# KiCad board SmallDSPMicro.kicad_pcb (continued)
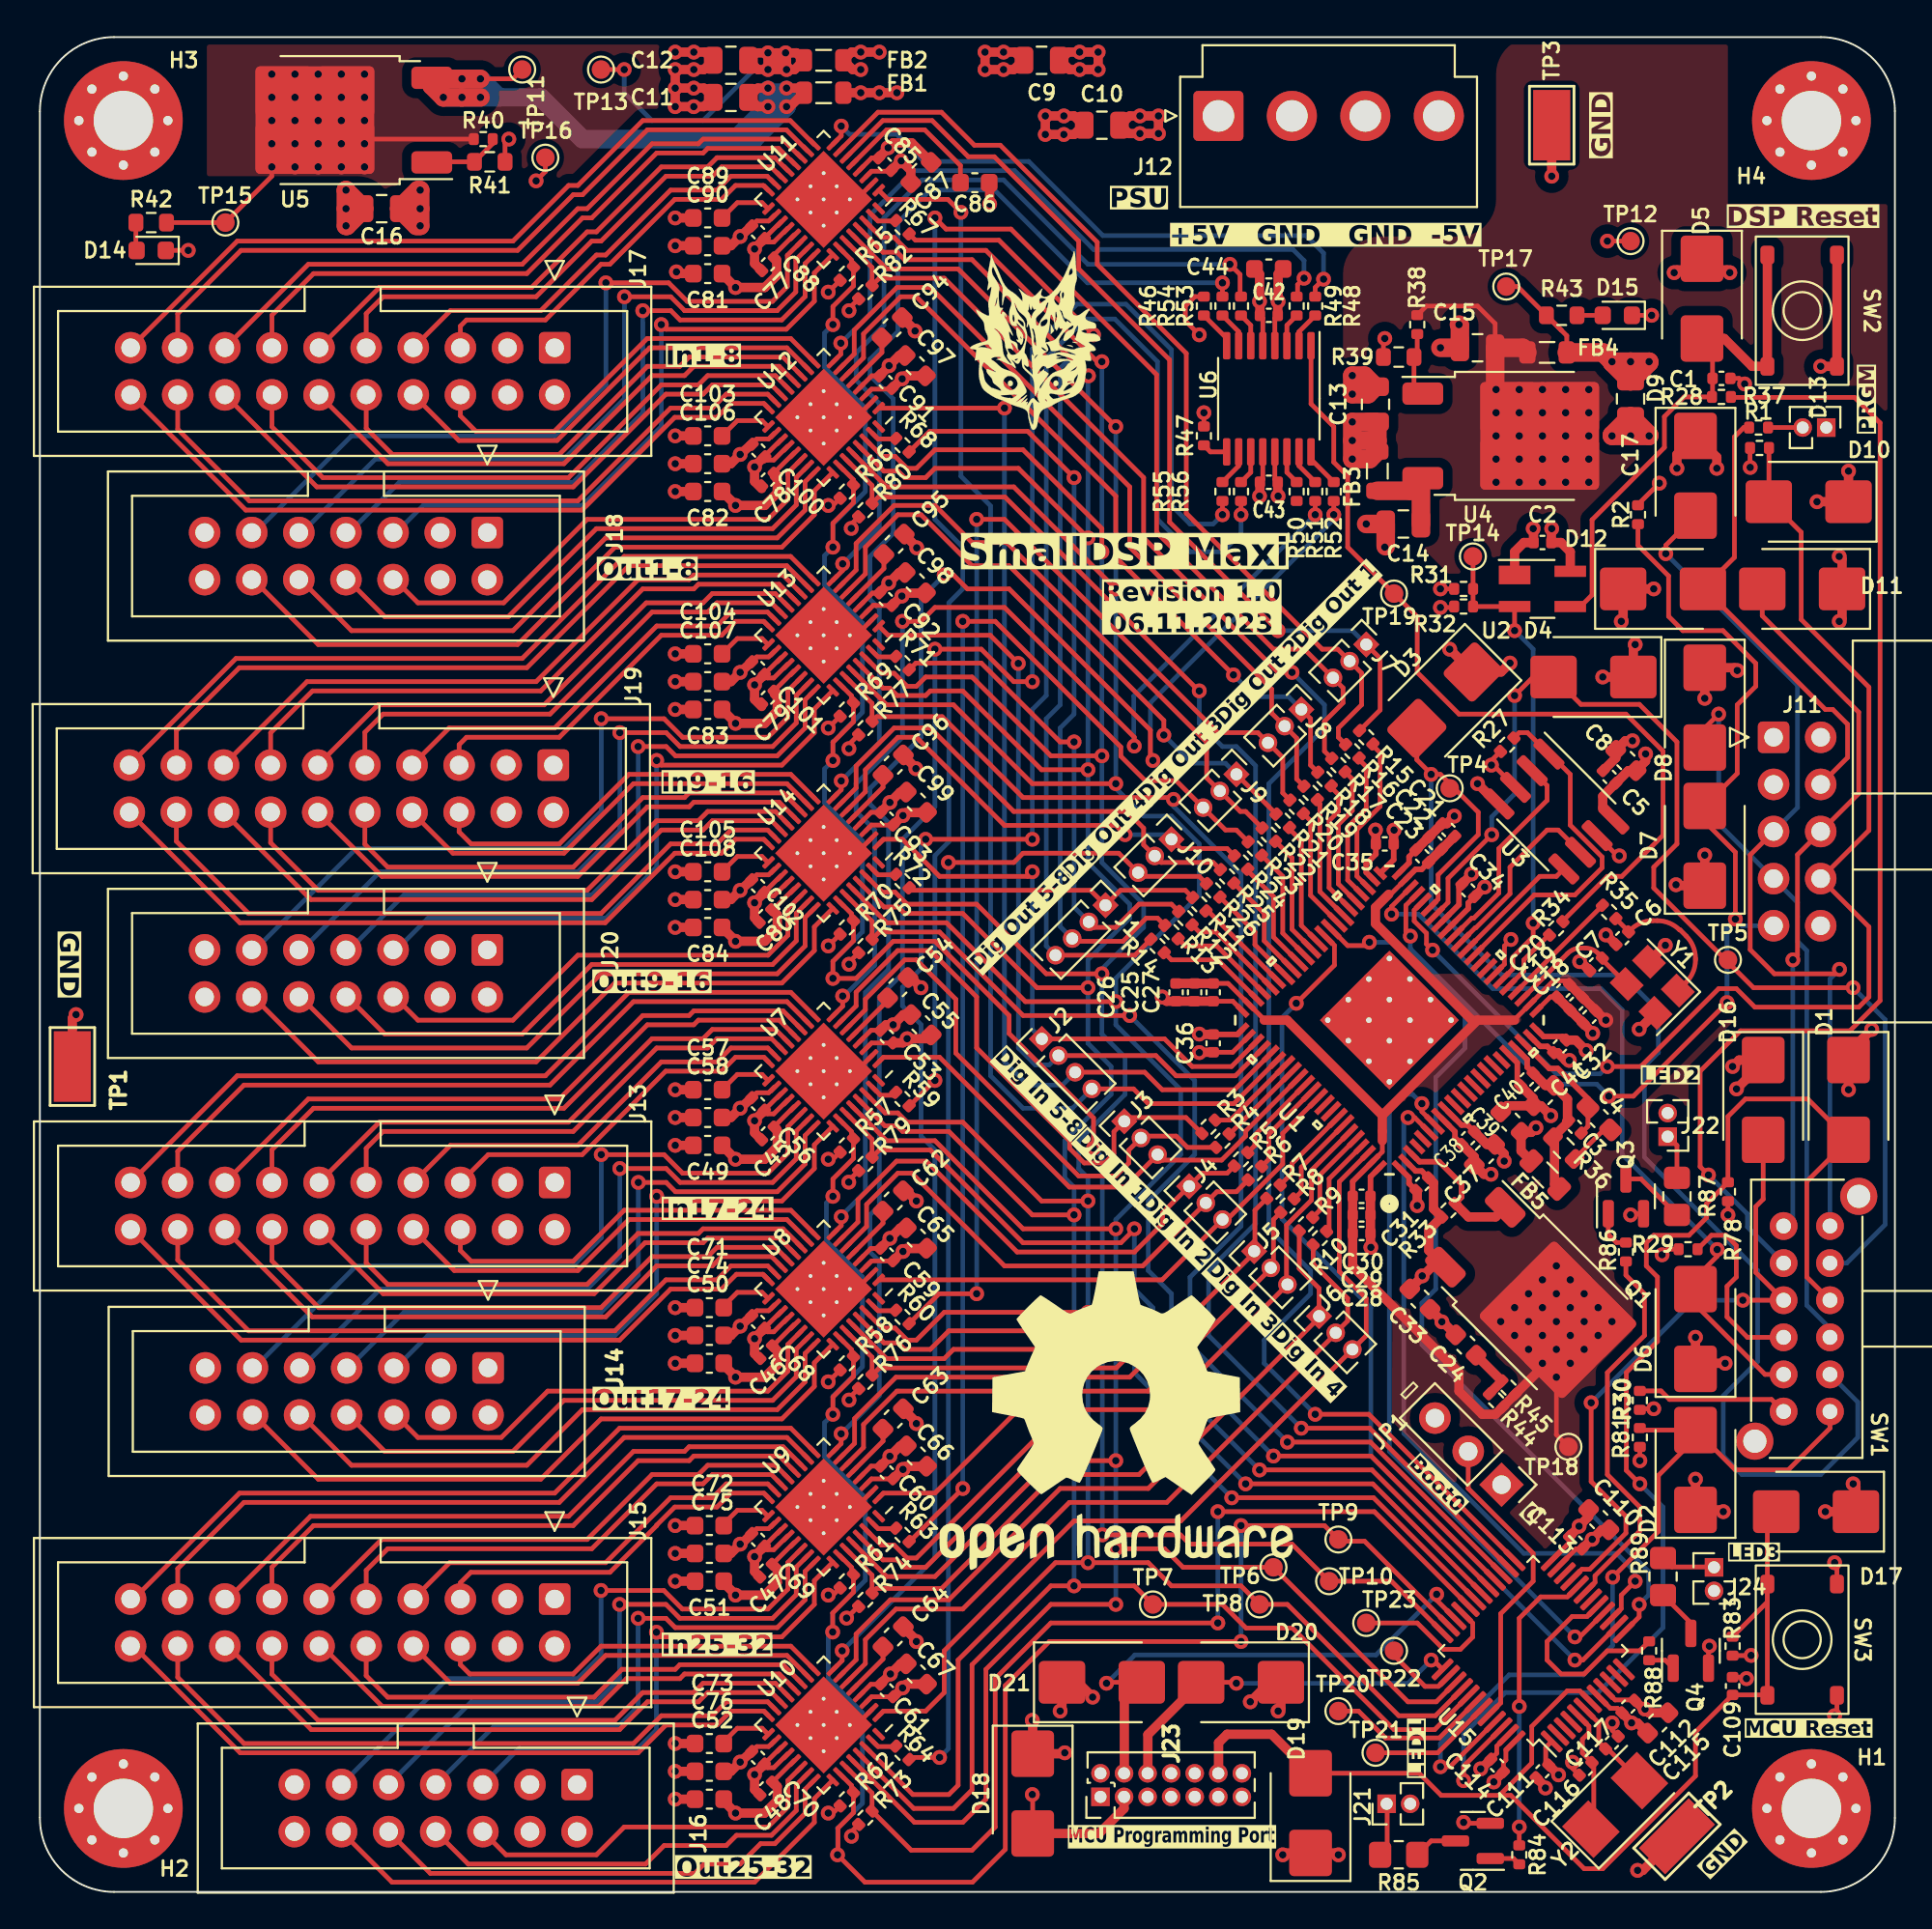
[diagram p0: board, top side]
## Routing (per net, layer and track width the routed paths; a pad name or vN(x,y) marks a point on that pad's centre or on a via; arc(x,y) is an arc through that point) (continued)
Net-(U5-ADJ): length 3.9
  Top w0.25: 21.16,93.28 R41.1 24.41,94.26 R40.2
Net-(U6-CLK_A1): length 2
  Top w0.25: U6.2 67.88,84.12 R48.1
Net-(U6-CLK_A2): length 1.8
  Top w0.25: U6.3 67.22,84.47 R49.1
Net-(U6-CLK_A3): length 1.8
  Top w0.25: R50.1 67.22,76.53 U6.14
Net-(U6-CLK_A4): length 2
  Top w0.25: R51.1 67.88,76.89 U6.15
Net-(U6-CLK_B1): length 1.8
  Top w0.25: U6.6 65.28,84.47 R53.1
Net-(U6-CLK_B2): length 2
  Top w0.25: U6.7 64.62,84.12 R54.1
Net-(U6-CLK_B3): length 2
  Top w0.25: U6.10 64.62,76.89 R55.1
Net-(U6-CLK_B4): length 1.8
  Top w0.25: R56.1 65.28,76.53 U6.11
Net-(U6-CLK_Out): length 2.1
  Top w0.25: U6.16 68.53,77.23 R52.1
Net-(U6-S1): length 1.4
  Top w0.25: R47.2 63.1,77.64 U6.9
Net-(U6-S2): length 2.1
  Top w0.25: R46.2 63.97,83.77 U6.8
Net-(U7B-SDO_1): length 1.5
  Top w0.25: R59.1 45.98,42.95 45.32,42.95 U7.31
Net-(U7C-LDO_Bypass): length 2.7
  Top w0.25: U7.5 45.7,48.06
Net-(U7C-Vcom): length 2.9
  Top w0.25: 36.77,43.25 37.6,44.07 38.93,44.07 39.25,43.76
Net-(U8B-SDO_1): length 1.4
  Top w0.25: 46.11,31.33 45.18,31.33 U8.31
Net-(U8C-LDO_Bypass): length 3
  Top w0.25: C62.1 45.45,36.06 U8.5
Net-(U8C-Vcom): length 2.9
  Top w0.25: 36.77,31.5 37.6,32.32 38.93,32.32 39.25,32.01
Net-(U9B-SDO_1): length 1.4
  Top w0.25: U9.31 45.18,19.58 46.11,19.58
Net-(U9C-LDO_Bypass): length 3
  Top w0.25: U9.5 45.45,24.31 C63.1
Net-(U9C-Vcom): length 2.9
  Top w0.25: 39.25,20.26 38.93,20.57 37.6,20.57 36.77,19.75
Net-(U10B-SDO_1): length 1.4
  Top w0.25: U10.31 45.18,7.83 46.11,7.83
Net-(U10C-LDO_Bypass): length 3
  Top w0.25: C64.1 45.45,12.56 U10.5
Net-(U10C-Vcom): length 2.9
  Top w0.25: 36.78,8 37.6,8.82 38.93,8.82 39.25,8.51
Net-(U11B-SDO_1): length 1.4
  Top w0.25: 46.11,90.08 45.18,90.08 U11.31
Net-(U11C-LDO_Bypass): length 8.3
  Top w0.25: C86.1 49.62,93.08 47.7,95 45.65,95 U11.5
Net-(U11C-Vcom): length 2.9
  Top w0.25: C89.1 37.6,91.07 38.93,91.07 39.25,90.76
Net-(U12B-SDO_1): length 1.4
  Top w0.25: 46.11,78.33 45.18,78.33 U12.31
Net-(U12C-LDO_Bypass): length 3
  Top w0.25: U12.5 45.39,83 C94.1
Net-(U12C-Vcom): length 2.9
  Top w0.25: C103.1 37.6,79.32 38.93,79.32 39.25,79.01
Net-(U13B-SDO_1): length 1.4
  Top w0.25: U13.31 45.18,66.58 46.11,66.58
Net-(U13C-LDO_Bypass): length 3.2
  Top w0.25: C95.1 45.5,71.35 U13.5
Net-(U13C-Vcom): length 2.9
  Top w0.25: 39.25,67.26 38.93,67.57 37.6,67.57 C104.1
Net-(U14B-SDO_1): length 1.4
  Top w0.25: U14.31 45.18,54.83 46.11,54.83
Net-(U14C-LDO_Bypass): length 3
  Top w0.25: U14.5 45.45,59.56 C96.1
Net-(U14C-Vcom): length 2.9
  Top w0.25: 39.25,55.51 38.93,55.82 37.6,55.82 36.77,55
Net-(U15-PA12/USART1_RTS): length 8.2
  Top w0.25: U15.33 77.24,14.49 77.24,13.74 76.58,13.08 75.67,13.08 74.25,14.5 TP23.1
Net-(U15-PA15/USART2_RX/~{SPI1_CS}): length 3.9
  Top w0.25: 73,12.75 74.67,11.08 75.4,11.08 U15.38
Net-(U15-PB6/USART1_TX): length 8.8
  Top w0.25: TP20.1 71.08,9.75 72.53,8.3 75.45,8.3 U15.42
Net-(U15-PB7/USART1_RX): length 6.7
  Top w0.25: U15.43 75.35,7.5 TP21.1
Net-(U15-PF0/XTAL_In): length 6.5
  Top w0.25: 83.77,6.88 83.77,3.54 ; C116.1 83.15,7.49 83.15,8.23 83.51,8.58 83.51,8.93 U15.5
Net-(U15-PF1/XTAL_Out): length 5.1
  Top w0.25: C117.1 84.04,8.08 84.04,9.11 U15.6 ; 84.52,7.71 Y2.2

## Copper pours and planes (outline as drawn; the poured copper is in the pictures)
+1V2 on Top, Bottom: 100,0 72.75,0 73,49.5 100,49.5
+3.3VA on Top: 0,100 36,100 36,88.75 19,88.75 19,92.5 0,92.5
+3.3VA on Bottom: 0,100 0,64.5 36,64.5 36,100
+3.3VA on In2.Cu: 38.25,100 38.25,0 0,0 0,100
+3V3 on In2.Cu: 100,100 100,0 43.4,-0.1 43.4,99.9
-5V on In2.Cu: 38.25,92.3 36.15,94.35 36.15,100 40.75,100 40.73,93.5 40.75,90.25 40.75,0 38.25,0
GND on Bottom: 73,32.25 66,32.25 66,60.75 69.5,64 74,68.5 80.75,68.5 80.75,49.5 76.75,49.5 76.75,45.5 73,41.75
GND on In1.Cu: 0,100 0,0 100,0 100,100
Earth_Protective on In1.Cu: 0,0 0,9 10.75,9 10.75,2.25 29,2.25 29,4.25 38,4.25 38,3.75 52.75,3.75 52.75,11 57.5,11 57.5,0
Earth_Protective on In2.Cu: 100,0 63,0 63,6.75 52.75,6.75 52.75,11.25 71,11.25 71,3.75 83.25,3.75 83.25,9 92.75,9 92.75,13.5 91.25,13.5 91.25,18.75 87.25,18.75 87.25,34.5 91.25,34.5 91.25,37 88.75,37 88.75,48.25 86,48.25 86,60.25 87.25,60.25 87.25,63.5 74.5,63.5 74.5,68.75 78.75,68.75 78.75,72.25 87.25,72.25 87.25,91 85,91 85,100 100,100
Earth_Protective on In2.Cu: 9,100 0,100 0,0 9.25,0
Net-(J12-Pin_1) on In2.Cu: 43.75,97.25 45.15,97.65 55.75,96.25 60,96.25 60,97.75 66.25,97.75 66.25,92.5 75,92.5 75,76.45 70.05,76.45 70.05,89.95 57.55,89.95 53.85,93.85 48.2,93.85 44.55,95.75 43.75,97
Net-(J12-Pin_4) on In2.Cu: 78,92.5 78,100 43,100 43,98.25 44.5,97.75 55.75,96.25 60,96.25 60,97.75 66.25,97.75 66.25,92.5
Net-(U4-VO) on Top, Bottom: 79,68 70.25,76.75 70.25,89.25 78.5,89.25 78.5,100 100,100 100,68

## Text on the board
B.Silkscreen: -5V   GND   L9+   L9-   R9+   R9-   L10+ L10- R10+ R10- | +5V   GND   R12- R12+ L12- L12+ R11- R11+ L11- L11+ | -5V   GND   L13+ L13- R13+ R13- L14+ L14- R14+ R14- | +5V   GND   R16- R16+ L16- L16+ R15- R15+ L15- L15+ | SDATA | C | A | BCLK | LRCK | 5 | 6 | 7 | 8 | -5V GND L1+ L1- R1+ R1- L2+ L2- R2+ R2- | -5V GND L5+ L5- R5+ R5- L6+ L6- R6+ R6- | +5V GND R4- R4+ L4- L4+ R3- R3+ L3- L3+ | -5V GND R2   L2   R1   L1 GND | +5V GND R8- R8+ L8- L8+ R7- R7+ L7- L7+ | -5V GND R6   L6   R5   L5 GND | +5V GND L3   R3   L4   R4 GND | +5V GND L11 R11 L12 R12 GND | -5V GND R10 L10 R9   L9 GND | +5V GND L7   R7   L8   R8 GND | -5V GND R14 L14 R13 L13 GND | +5V GND L15 R15 L16 R16 GND
F.Silkscreen: MCU Programming Port | LED3 | LED2 | MCU Reset | Dig Out 5-8 | Dig Out 4 | Dig Out 3 | Dig Out 2 | Dig Out 1 | GND | LED1 | PRGM | Dig In 5-8 | Dig In 1 | Dig In 2 | Dig In 3 | Dig In 4 | I | Boot0 | 0 | Out1-8 | Out9-16 | Out17-24 | In1-8 | In9-16 | In17-24 | In25-32 | Out25-32 | PSU | +5V   GND   GND  -5V | DSP Reset | Revision 1.0 / 06.11.2023 | SmallDSP Maxi
